# Altium PCB SIM_Cntroller_P200.PcbDoc (part 1 of 2) (continued)
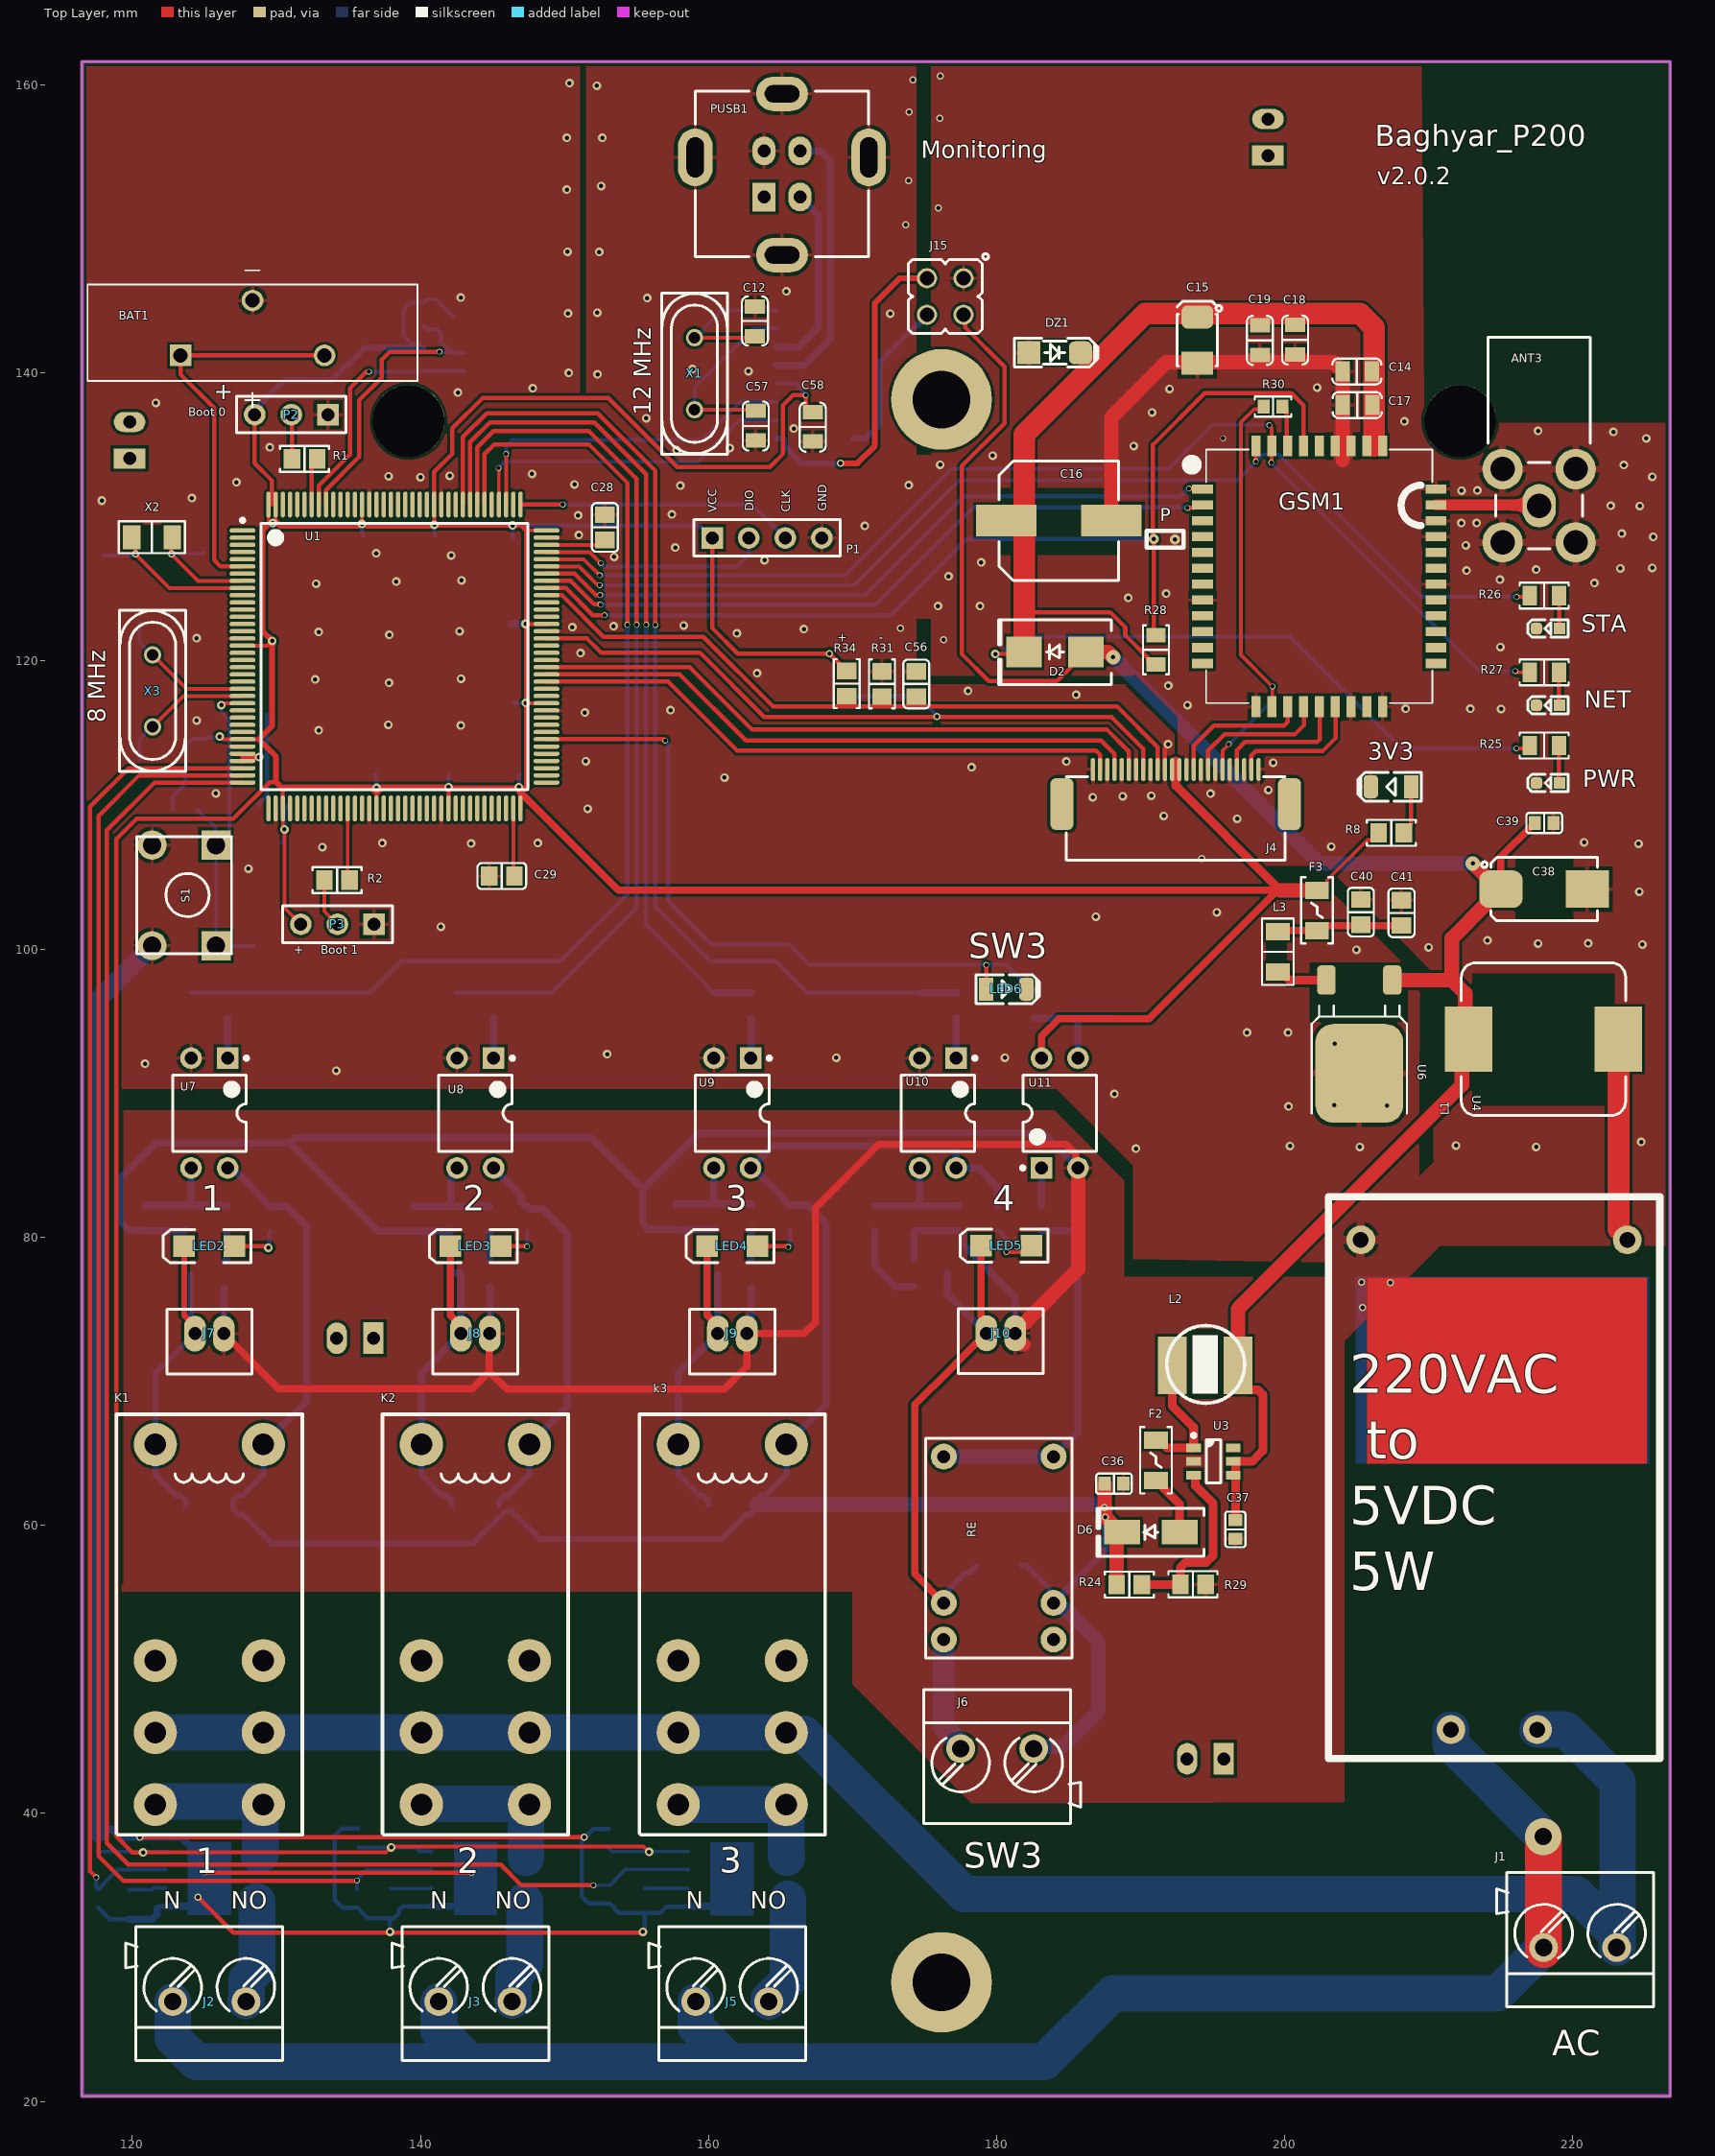
[diagram p0: Top Layer view]
## Components (designator, comment, footprint, x,y, rotation, side; value= is the part's Value field where it differs from the comment) (continued)
PWR "" LED_0603_RED 218.262,111.531 r180 top
Q1 "BC817" SOT23_BEC_M 125.247,77.445 r180 bottom
Q2 "BC817" SOT23_BEC_M 143.662,77.521 r180 bottom
Q3 "BC817" SOT23_BEC_M 161.773,77.445 r180 bottom
Q4 "BC817" SOT23_BEC_M 175.412,77.521 r0 bottom
R1 "10k" "RES 0805_2012" 131.953,134.036 r0 top
R2 "10k" "RES 0805_2012" 134.214,104.8 r0 top
R3 "100k" "RES 0805_2012" 123.673,109.703 r180 bottom
R4 "2.2K" "RES 0805_2012" 165.659,81.382 r90 bottom
R5 "2.2K" "RES 0805_2012" 180.061,81.331 r90 bottom
R6 "1K" "RES 0805_2012" 162.966,96.088 r270 bottom
R7 "10K" "RES 0805_2012" 163.017,81.356 r270 bottom
R8 "100R" "RES 0805_2012" 207.391,108.077 r180 top
R9 "2.2K" "RES 0805_2012" 129.591,81.294 r90 bottom
R10 "2.2K" "RES 0805_2012" 147.396,81.28 r90 bottom
R11 "1K" "RES 0805_2012" 126.619,96.088 r270 bottom
R12 "10K" "RES 0805_2012" 126.568,81.294 r270 bottom
R13 "1K" "RES 0805_2012" 145.059,96.088 r270 bottom
R14 "10K" "RES 0805_2012" 144.788,81.265 r270 bottom
R15 "10K" "RES 0805_2012" 120.904,81.319 r90 bottom
R16 "10K" "RES 0805_2012" 139.497,81.28 r90 bottom
R17 "1K" "RES 0805_2012" 177.216,96.1 r270 bottom
R18 "10K" "RES 0805_2012" 171.552,81.305 r270 bottom
R19 "10K" "RES 0805_2012" 157.734,81.432 r90 bottom
R20 "10K" "RES 0805_2012" 177.343,81.331 r90 bottom
R21 "2.2k" "RES 0805_2012" 183.109,81.331 r270 bottom
R22 "1k" "RES 0805_2012" 182.626,96.088 r90 bottom
R23 "10k" "RES 0805_2012" 188.112,96.088 r270 bottom
R24 "62K" "RES 0805_2012" 189.205,55.88 r180 top
R25 "220" "RES 0805" 218.004,114.136 r180 top
R26 "220" "RES 0805" 218.004,124.55 r180 top
R27 "220" "RES 0805" 218.004,119.216 r180 top
R28 "10k" "RES 0805" 191.059,120.777 r270 top value=10K
R29 "3.3K" "RES 0805_2012" 193.624,55.905 r180 top
R30 "4.7K" "RES 0603_1608" 199.187,137.668 r0 top
R31 "10k" "RES 0805_2012" 172.034,118.415 r270 top
R32 "4.7K" "RES 0603_1608" 140.106,144.043 r90 bottom
R33 "4.7K" "RES 0603_1608" 140.106,141.097 r90 bottom
R34 "10k" "RES 0805_2012" 169.596,118.44 r270 top
R35 "10k" "RES 0805_2012" 169.57,118.415 r270 bottom
R36 "10k" "RES 0805_2012" 172.009,118.44 r270 bottom
RE "Relay" "Through-hole 6PIN" 176.327,64.77 r270 top
S1 "Switch PB" "Switch - Push to On" 123.596,103.734 r270 top
STA "" LED_0603_BLUE 218.258,122.264 r180 top
U1 "STM32F429ZGT6" LQFP144 138.201,120.32 r0 top
U2 "20 AMP" SOIC_8pin 125.349,35.458 r180 bottom
U3 "MT3608" "SOT-23-6 2.9X2.8MM P0.95MM" 195.047,64.44 r0 top
U4 "220-to_5" HLK_5W 214.528,62.814 r90 top
U5 "20 AMP" SOIC_8pin 143.815,35.458 r180 bottom
U6 "LF33" TO252 205.207,95.25 r180 top
U7 "Optoisolator1" DIP-4 125.349,88.621 r270 top
U8 "Optoisolator1" DIP-4 143.815,88.621 r270 top
U9 "Optoisolator1" DIP-4 161.646,88.621 r270 top
U10 "Optoisolator1" DIP-4 175.92,88.621 r270 top
U11 "Optoisolator1" DIP-4 184.379,88.621 r90 top
U12 "AT24C02B-TP25-T" SO8_N 145.422,142.049 r180 bottom
U13 "20 AMP" SOIC_8 161.646,35.458 r180 bottom
U16 "CH340G" SOP16 167.411,139.903 r0 bottom
X1 "Value" "XTAL THD HC49" 159.029,139.954 r270 top
X2 "32KHZ" "IND 1206_3216" 121.361,128.6 r0 top
X3 "Value" "XTAL THD HC49" 121.412,117.932 r90 top

## Footprints (in the part's own frame and the unit in brackets; to place one, negate y for a bottom-side part, rotate by r counter-clockwise, add the part's x,y. Pads: shape width x height; smd on the part's side, far side on the other; paste and mask are expansions set on the pad)
BAT_STAND [mm]
  round 1.5 hole 1: NEG(1.905,0) S+2(-1.905,-5)
  rect 1.5x1.5 hole 1: S+1(-1.905,5)
  silkscreen extent -5.5,-11.45 4,11.45, body extent -3.71,-11.45 3,11.45, height 17.8
"CAP 0603_1608" [mm]
  rect 0.85x0.95 smd: 1(-0.65,0) 2(0.65,0)
  silkscreen extent -1.24,-0.7 1.23,0.7, body extent -0.8,-0.41 0.8,0.41, height 0.82
"CAP 0805" [mm] "Chip Capacitor, 2-Leads, Body 2.00x1.20mm, IPC Medium Density"
  rect 1x1.4 smd: 1(-1,0) 2(1.05,0)
  silkscreen extent -1.7,-0.9 1.7,0.9, body extent -1,-0.64 1,0.64, height 1.26
"CAP 0805_2012" [mm]
  rect 1.15x1.35 smd: 1(-0.875,0) 2(0.875,0)
  silkscreen extent -1.68,-0.9 1.69,0.9, body extent -0.99,-0.62 1.01,0.65, height 1.26
"CAP ALSMD POLY 8.3MM H8.0MM" [mm] "Aluminum Electrolytic Capacitor, Body 8.30x8.30x8.0mm"
  rect 4.2x2.2 smd: 1(-3.65,0) 2(3.65,0)
  Top Layer pour cut-out: -4.2,2.3 4.15,2.3 4.15,-2.4 -4.2,-2.4
  silkscreen extent -4.15,-4.15 4.15,4.15, body extent -4.5,-4.15 4.5,4.15, height 8
"CAP TAN SMD 3528" [mm] "CAPACITOR, TAN B, TAN H, TAN T, TAN M, 3528P, 1210P, 3.5X2.8mm"
  rrect50% 1.6x2.2 smd mask+0.1: 1(-1.6,0)
  rect 1.6x2.2 smd mask+0.1: 2(1.6,0)
  Top Layer pour cut-out: -0.889,1.4 -0.889,-1.4 0.889,-1.4 0.889,1.4
  silkscreen extent -2.7,-1.4 1.8,1.7, body extent -1.85,-1.46 1.85,1.47, height 2.03
"CAP TAN SMD 7343" [mm] "CAPACITOR, TAN D, TAN E, TAN Y, TAN X, 7343P, 7.3X4.3mm"
  rrect50% 3x2.6 smd: 1(-3,0)
  rect 3x2.6 smd: 2(3,0)
  Top Layer pour cut-out: -2.032,2.2 -2.032,-2.2 2.032,-2.2 2.032,2.2
  silkscreen extent -4.35,-2.2 3.7,2.2, body extent -3.7,-2.22 3.7,2.23, height 4.2
"CAPP 1206 (3216X18L) Size A" [mm] "Chip Capacitor, 2-Leads, Body 3.2x1.6mm, IPC High Density, chip Tantalum"
  rect 1.999x1.199 smd: 1(0,0) 2(2.8,0)
  silkscreen extent -1.38,-0.97 -0.99,0.97, body extent -0.43,-0.9 3.21,0.9, height 1.8
DIP-4 [mm] "DIP; 4 Leads; Row Spacing 7.62 mm; Pitch 2.54 mm"
  rect 1.5x1.5 hole 0.9: 1(-3.81,1.27)
  round 1.5 hole 0.9: 2(-3.81,-1.27) 3(3.81,-1.27) 4(3.81,1.27)
  silkscreen extent -3.93,-2.55 2.65,2.7, body extent -3.15,-2.5 3.15,2.5, height 5.6
"DO-214AA SMB" [mm] "Molded Diode, 2-Leads, Body 4.31x3.62mm, IPC Medium Density"
  rect 2.45x2.15 smd: 1(-2.15,0) 2(2.15,0)
  silkscreen extent -3.9,-2.25 3.9,2.25, body extent -2.6,-1.8 2.6,1.8, height 2.4
"DO-214AC SMA" [mm] "Molded Diode, 2-Leads, Body 4.30x2.60mm, IPC Medium Density"
  rect 2.5x1.7 smd: 1(-2,0) 2(2,0)
  silkscreen extent -3.68,-1.65 3.75,1.65, body extent -2.6,-1.37 2.6,1.37, height 2.4
FPC50_24 [mm] "FPC, FH12 Series; 24 Position; 0.5mm, Bottom Contact, FH12F-24S-0.5SH"
  oval 0.3x1.6 smd mask+0.05: 1(5.75,0) 2(5.25,0) 3(4.75,0) 4(4.25,0) 5(3.75,0) 6(3.25,0) 7(2.75,0) 8(2.25,0) 9(1.75,0) 10(1.25,0) 11(0.75,0) 12(0.25,0) 13(-0.25,0) 14(-0.75,0) 15(-1.25,0) 16(-1.75,0) 17(-2.25,0) 18(-2.75,0) 19(-3.25,0) 20(-3.75,0) 21(-4.25,0) 22(-4.75,0) 23(-5.25,0) 24(-5.75,0)
  rrect50% 1.6x3.6 smd: ""(-7.9,2.4) ""(7.9,2.4)
  silkscreen extent -7.6,0.5 7.6,6.3, body extent -8.05,-0.2 8.05,6.2, height 2.04
FUSE_0805 [mm]
  rect 1x1.35 smd: 1(-1.016,0) 2(1.016,0)
  silkscreen extent -1.7,-0.9 1.7,0.9, body extent -1.1,-0.74 1.1,0.76, height 1.34
FUSE_1206 [mm]
  rect 1.2x1.65 smd: 1(-1.4,0) 2(1.4,0)
  silkscreen extent -2.3,-1.1 2.3,1.1, body extent -1.6,-0.83 1.6,0.83, height 0.66
HDR1X3 [mm] "Connector; Header; 3 Position"
  rect 1.5x1.5 hole 0.9: 1(0,0)
  round 1.5 hole 0.9: 2(2.54,0) 3(5.08,0)
  silkscreen extent -1.27,-1.27 6.35,1.27
HDR1X4 [mm] "Connector; Header; 4 Position"
  rect 1.5x1.5 hole 0.9: 1(0,0)
  round 1.5 hole 0.9: 2(2.54,0) 3(5.08,0) 4(7.62,0)
  silkscreen extent -1.27,-1.27 8.89,1.27
HDR_M_1X2 [mm] "Connector; Header; 2 Position"
  round 1.4 / inner round 1.4 / far side rect 1.4x2.2 hole 0.9 mask+0.1: 1(-1.27,0)
  round 1.4 / inner round 1.4 / far side oval 1.4x2.2 hole 0.9 mask+0.1: 2(1.27,0)
  silkscreen extent -3,-1.7 2.57,1.3, body extent -2.54,-1.25 2.44,1.25, height 8.72
HDR_M_2X2 [mm] "Connector; Header; 2x2 Position"
  round 1.4 / inner round 1.4 / far side oval 1.4x2.2 hole 1: 1(-1.27,-1.27)
  round 1.4 / inner round 1.4 / far side oval 1.4x2.2 hole 1 mask+0.1: 2(-1.27,1.27) 3(1.27,-1.27) 4(1.27,1.27)
  silkscreen extent -3,-2.97 2.57,2.57, body extent -2.56,-2.54 2.47,2.54, height 8.54
HLK_5W [mm]
  round 2 hole 1.1: 1(-17,3) 2(-17,-3) 3(17,9.25) 4(17,-9.25)
  silkscreen extent -19,-11.5 20,11.5
"IND 5X5MM" [mm]
  rect 2x4 smd: 1(-2.286,-0.064) 2(2.286,-0.064)
  Top Layer pour cut-out: -1.27,2.476 -1.27,-2.413 1.27,-2.413 1.27,2.476
  silkscreen extent -2.65,-2.7 2.75,2.7, body extent -2.45,-2.5 2.55,2.5, height 3.1
"IND 10X11" [mm]
  rect 3.3x4.5 smd: 1(-5.207,0) 2(5.207,0)
  Top Layer pour cut-out: -4.953,4.635 4.953,4.636 4.953,-4.572 -4.953,-4.572
  silkscreen extent -5.7,-5.3 5.7,5.3, body extent -5.75,-5.15 5.75,5.15, height 4.01
"IND 1206_3216" [mm]
  rect 1.2x1.65 smd: 1(-1.4,0) 2(1.4,0)
  Top Layer pour cut-out: -0.939,0.86 -0.939,-0.664 0.839,-0.664 0.839,0.86
  silkscreen extent -2.3,-1.1 2.3,1.1, body extent -1.6,-0.8 1.6,0.8, height 1.4
"JST B2B-PH-K" [mm]
  oval 1.5x2.5 hole 0.9: 1(-1,0) 2(1,0)
  silkscreen extent -2.95,-2.8 2.95,1.7, body extent -2.95,-2.8 2.95,1.7, height 6
"LED SMD 1206" [mm]
  rect 1.5x1.5 smd: 1(-1.75,0) 2(1.75,0)
  silkscreen extent -2.9,-1.15 3.2,1.15, body extent -1.65,-0.76 1.65,0.69, height 1.36
LED_0603_BLUE [mm] "LED SMD 0603, BLUE"
  rect 0.8x0.8 smd mask+0.075: 1(-0.8,0)
  rrect50% 0.8x0.8 smd mask+0.075: 2(0.8,0)
  silkscreen extent -1.4,-0.6 1.4,0.6, body extent -0.8,-0.4 0.8,0.4, height 0.5
LED_0603_GREEN [mm] "LED SMD 0603, GREEN"
  rect 0.8x0.8 smd mask+0.075: 1(-0.8,0)
  rrect50% 0.8x0.8 smd mask+0.075: 2(0.8,0)
  silkscreen extent -1.4,-0.6 1.4,0.6, body extent -0.8,-0.4 0.8,0.4, height 0.5
LED_0603_RED [mm] "LED SMD 0603, RED"
  rect 0.8x0.8 smd mask+0.075: 1(-0.8,0)
  rrect50% 0.8x0.8 smd mask+0.075: 2(0.8,0)
  silkscreen extent -1.4,-0.6 1.4,0.6, body extent -0.8,-0.4 0.8,0.4, height 0.5
LED_1206_GREEN [mm] "LED, 1206, GREEN"
  rect 1x1.6 smd mask+0.075: 1(-1.4,0)
  rrect50% 1x1.6 smd mask+0.075: 2(1.4,0)
  Top Layer pour cut-out: -1.1,1.1 -1.1,-1.1 1.1,-1.1 1.1,1.1
  silkscreen extent -2.1,-1 2.3,1, body extent -1.6,-0.8 1.6,0.8, height 0.68
LED_1206_RED [mm] "LED, 1206, RED"
  rect 1x1.6 smd mask+0.075: 1(-1.4,0)
  rrect50% 1x1.6 smd mask+0.075: 2(1.4,0)
  Top Layer pour cut-out: -1.1,1.1 -1.1,-1.1 1.1,-1.1 1.1,1.1
  silkscreen extent -2.1,-1 2.3,1, body extent -1.6,-0.8 1.6,0.8, height 0.68
LL4148 [mm] "MELF Diode, 2-Leads, Body 3.5x1.4mm, IPC Medium Density"
  rect 1.2x1.75 smd: 1(-1.65,0) 2(1.65,0)
  silkscreen extent -0.61,-0.88 0.57,0.87, body extent -1.78,-0.75 1.72,0.75, height 1.55
LQFP144 [mm] "Thin QFP, 144-Leads, Body 20x20mm, Pitch 0.5mm, IPC Medium Density"
  oval 1.8x0.3 smd mask+0.01: 1(-10.55,8.75) 2(-10.55,8.25) 3(-10.55,7.75) 4(-10.55,7.25) 5(-10.55,6.75) 6(-10.55,6.25) 7(-10.55,5.75) 8(-10.55,5.25) 9(-10.55,4.75) 10(-10.55,4.25) 11(-10.55,3.75) 12(-10.55,3.25) 13(-10.55,2.75) 14(-10.55,2.25) 15(-10.55,1.75) 16(-10.55,1.25) 17(-10.55,0.75) 18(-10.55,0.25) 19(-10.55,-0.25) 20(-10.55,-0.75) 21(-10.55,-1.25) 22(-10.55,-1.75) 23(-10.55,-2.25) 24(-10.55,-2.75) 25(-10.55,-3.25) 26(-10.55,-3.75) 27(-10.55,-4.25) 28(-10.55,-4.75) 29(-10.55,-5.25) 30(-10.55,-5.75) 31(-10.55,-6.25) 32(-10.55,-6.75) 33(-10.55,-7.25) 34(-10.55,-7.75) 35(-10.55,-8.25) 36(-10.55,-8.75) 73(10.55,-8.75) 74(10.55,-8.25) 75(10.55,-7.75) 76(10.55,-7.25) 77(10.55,-6.75) 78(10.55,-6.25) 79(10.55,-5.75) 80(10.55,-5.25) 81(10.55,-4.75) 82(10.55,-4.25) 83(10.55,-3.75) 84(10.55,-3.25) 85(10.55,-2.75) 86(10.55,-2.25) 87(10.55,-1.75) 88(10.55,-1.25) 89(10.55,-0.75) 90(10.55,-0.25) 91(10.55,0.25) 92(10.55,0.75) 93(10.55,1.25) 94(10.55,1.75) 95(10.55,2.25) 96(10.55,2.75) 97(10.55,3.25) 98(10.55,3.75) 99(10.55,4.25) 100(10.55,4.75) 101(10.55,5.25) 102(10.55,5.75) 103(10.55,6.25) 104(10.55,6.75) 105(10.55,7.25) 106(10.55,7.75) 107(10.55,8.25) 108(10.55,8.75)
  oval 0.3x1.8 smd mask+0.01: 37(-8.75,-10.55) 38(-8.25,-10.55) 39(-7.75,-10.55) 40(-7.25,-10.55) 41(-6.75,-10.55) 42(-6.25,-10.55) 43(-5.75,-10.55) 44(-5.25,-10.55) 45(-4.75,-10.55) 46(-4.25,-10.55) 47(-3.75,-10.55) 48(-3.25,-10.55) 49(-2.75,-10.55) 50(-2.25,-10.55) 51(-1.75,-10.55) 52(-1.25,-10.55) 53(-0.75,-10.55) 54(-0.25,-10.55) 55(0.25,-10.55) 56(0.75,-10.55) 57(1.25,-10.55) 58(1.75,-10.55) 59(2.25,-10.55) 60(2.75,-10.55) 61(3.25,-10.55) 62(3.75,-10.55) 63(4.25,-10.55) 64(4.75,-10.55) 65(5.25,-10.55) 66(5.75,-10.55) 67(6.25,-10.55) 68(6.75,-10.55) 69(7.25,-10.55) 70(7.75,-10.55) 71(8.25,-10.55) 72(8.75,-10.55) 109(8.75,10.55) 110(8.25,10.55) 111(7.75,10.55) 112(7.25,10.55) 113(6.75,10.55) 114(6.25,10.55) 115(5.75,10.55) 116(5.25,10.55) 117(4.75,10.55) 118(4.25,10.55) 119(3.75,10.55) 120(3.25,10.55) 121(2.75,10.55) 122(2.25,10.55) 123(1.75,10.55) 124(1.25,10.55) 125(0.75,10.55) 126(0.25,10.55) 127(-0.25,10.55) 128(-0.75,10.55) 129(-1.25,10.55) 130(-1.75,10.55) 131(-2.25,10.55) 132(-2.75,10.55) 133(-3.25,10.55) 134(-3.75,10.55) 135(-4.25,10.55) 136(-4.75,10.55) 137(-5.25,10.55) 138(-5.75,10.55) 139(-6.25,10.55) 140(-6.75,10.55) 141(-7.25,10.55) 142(-7.75,10.55) 143(-8.25,10.55) 144(-8.75,10.55)
  silkscreen extent -10.67,-9.25 9.25,9.57, body extent -11,-11 11,11, height 1.63
P_TBB_2 [mm] "Terminal Block Blue"
  round 2 / inner round 2 / far side rect 2.4x3 hole 1.2: 1(-2.54,0)
  round 2 / inner round 2 / far side oval 2.4x3 hole 1.2: 2(2.54,0)
  silkscreen extent -5.1,-5.2 5.8,4.1, body extent -4.96,-5.08 5.78,3.99, height 12.52
Relay_8 [mm]
  round 3 hole 1.5: 1(-3.75,12.5) 2(3.75,12.5) CM1(-3.75,-7.5) CM2(3.75,-7.5) NC1(-3.75,-2.5) NC2(3.75,-2.5) NO1(-3.75,-12.5) NO2(3.75,-12.5)
  silkscreen extent -6.45,-14.6 6.45,14.6
"RES 0603_1608" [mm]
  rect 0.85x0.95 smd: 1(-0.65,0) 2(0.65,0)
  silkscreen extent -1.27,-0.7 1.27,0.7, body extent -0.8,-0.4 0.8,0.4, height 0.45
"RES 0805" [mm] "Chip Resistor, 2-Leads, Body 2.00x1.25mm, IPC Medium Density"
  rect 1x1.35 smd: 1(-1.016,0) 2(1.016,0)
  silkscreen extent -1.7,-0.9 1.7,0.9, body extent -0.95,-0.62 1.05,0.63, height 0.6
"RES 0805_2012" [mm] "Chip Resistor, 2-Leads, Body 2.00x1.25mm, IPC Medium Density"
  rect 1.15x1.35 smd: 1(-0.875,0) 2(0.875,0)
  silkscreen extent -1.7,-0.9 1.7,0.9, body extent -0.95,-0.62 1.05,0.63, height 0.6
SIM800C_M [mm]
  rect 0.635x1.45 smd: 1(-6.05,-8.1) 2(-4.95,-8.1) 3(-3.85,-8.1) 4(-2.75,-8.1) 5(-1.65,-8.1) 6(-0.55,-8.1) 7(0.55,-8.1) 8(1.65,-8.1) 9(2.75,-8.1) 10(3.85,-8.1) 11(4.95,-8.1) 12(6.05,-8.1) 22(6.05,8.1) 23(4.95,8.1) 24(3.85,8.1) 25(2.75,8.1) 26(1.65,8.1) 27(0.55,8.1) 28(-0.55,8.1) 29(-1.65,8.1) 30(-2.75,8.1) 31(-3.85,8.1) 32(-4.95,8.1) 33(-6.05,8.1)
  rect 1.45x0.635 smd: 13(9.05,-4.4) 14(9.05,-3.3) 15(9.05,-2.2) 16(9.05,-1.1) 17(9.05,0) 18(9.05,1.1) 19(9.05,2.2) 20(9.05,3.3) 21(9.05,4.4) 34(-9.05,4.4) 35(-9.05,3.3) 36(-9.05,2.2) 37(-9.05,1.1) 38(-9.05,0) 39(-9.05,-1.1) 40(-9.05,-2.2) 41(-9.05,-3.3) 42(-9.05,-4.4)
  silkscreen extent -8.8,-9.13 8.8,7.85, body extent -8.74,-7.85 8.86,7.85, height 2.57
SMA_RA [mm] "Connector; RF Coaxial, MCX, Thru-Hole; 5 Position; Right-Angle"
  oval 3x2.3 hole 1.7: 1(0,0)
  round 2.8 hole 1.7: 2(-2.54,-2.54) 3(2.54,-2.54) 4(2.54,2.54) 5(-2.54,2.54)
  silkscreen extent -11.68,-3.56 3,3.56, body extent -11.6,-3.5 3.5,3.5, height 9.86
SO8_N [mm] "SOIC, 8-Leads, Body 4.9x3.9mm, Pitch 1.27mm, IPC Medium Density"
  oval 2.2x0.6 smd: 1(-2.4,1.905) 2(-2.4,0.635) 3(-2.4,-0.635) 4(-2.4,-1.905) 5(2.4,-1.905) 6(2.4,-0.635) 7(2.4,0.635) 8(2.4,1.905)
  silkscreen extent -2.53,-2.5 0.9,2.88, body extent -2,-2.5 2,2.5, height 1.75
SOD80 [mm] "SOD-80 MINI-MELF 3.6X1.6mm, LL-34, LL4148"
  rect 1.6x1.6 smd: 1(-1.8,0)
  rrect50% 1.6x1.6 smd: 2(1.8,0)
  Top Layer pour cut-out: -1.016,1.016 1.016,1.016 1.016,-1.016 -1.016,-1.016
  silkscreen extent -2.8,-1 3,1, body extent -1.85,-0.8 1.85,0.8, height 2
SOIC_8 [mm]
  oval 2.1x0.6 smd: 1(-3.038,1.884) 2(-3.038,0.614) 3(-3.038,-0.656) 4(-3.038,-1.926) 5(3.062,-1.926) 6(3.062,-0.656) 7(3.062,0.614) 8(3.062,1.884)
  silkscreen extent -3.16,-2.52 1.61,2.86, body extent -2.99,-2.52 3.01,2.48, height 2.65
SOIC_8pin [mm]
  oval 2.1x0.6 smd: 1(-3.05,1.905) 2(-3.05,0.635) 3(-3.05,-0.635) 4(-3.05,-1.905) 5(3.05,-1.905) 6(3.05,-0.635) 7(3.05,0.635) 8(3.05,1.905)
  silkscreen extent -3.17,-2.5 1.6,2.88, body extent -3,-2.5 3,2.5, height 2.65
SOP16 [mil]
  oval 66.93x24 smd: 1(-105,175) 2(-105,125) 3(-105,75) 4(-105,25) 5(-105,-25) 6(-105,-75) 7(-105,-125) 8(-105,-175) 9(105,-175) 10(105,-125) 11(105,-75) 12(105,-25) 13(105,25) 14(105,75) 15(105,125) 16(105,175)
  silkscreen extent -55,-200 55,200, body extent -118,-197 118,197, height 69
SOT23_BEC_M [mm] "SOT23, 3-Leads, Body 2.9x1.3mm, Pitch 0.95mm, Lead Span 2.4mm, IPC Low Density"
  rect 1.45x0.6 smd: 1(-1.175,0.95) 2(-1.175,-0.95) 3(1.175,0)
  silkscreen extent -1.3,-1.5 0.7,1.92, body extent -1.23,-1.45 1.07,1.45, height 1
"SOT-23-6 2.9X2.8MM P0.95MM" [mm] "SOT23, 6-Leads, Body 2.90x2.80mm, Pitch 0.95mm, IPC Medium Density"
  rect 1x0.6 smd: 1(-1.375,0.95) 2(-1.375,0) 3(-1.375,-0.95) 4(1.375,-0.95) 5(1.375,0) 6(1.375,0.95)
  silkscreen extent -1.5,-1.5 0.5,1.92, body extent -1.41,-1.45 1.41,1.45, height 1.45
"Switch - Push to On" [mil]
  rect 80x80 hole 50: 1(-137.5,87.5) 1(137.5,87.5)
  round 80 hole 50: 2(-137.5,-87.5) 2(137.5,-87.5)
  silkscreen extent -160,-130 160,130, body extent -155,-121 157,123, height 205
"Through-hole 6PIN" [mm]
  round 1.8 hole 0.9: 1(0,7.62) 1(0,0) 5(10.16,0) 6(12.7,0) 7(12.7,7.62) 8(10.16,7.62)
  silkscreen extent -1.27,-1.27 13.97,8.89
TO252 [mil]
  rrect40% 50x80 smd: 1(-88.75,-102.5) 3(91.25,-102.5)
  rrect40% 240x270 smd: 4(1.25,152.5)
  Top Layer pour cut-out: -132.5,12.5 137.5,12.5 137.5,-147.5 133.75,-151.25 -132.5,-151.25
  silkscreen extent -129,-33 131,262, body extent -127,-119 130,272, height 91
USB_B_ST [mm] "CONN, USB B, Receptacle, STRAIGHT, THD"
  rect 1.6x2 hole 0.9: 1(-1.25,-1.6)
  oval 1.6x2 hole 0.9: 2(1.25,-1.6) 3(1.25,1.6) 4(-1.25,1.6)
  oval 2.4x4 hole 1.2 slot 2.8 at 90 deg: SH1(-6.02,1.15) SH2(6.02,1.15)
  oval 3.6x2.4 hole 1.2 slot 2.4 at 0 deg: SH3(0,5.56) SH4(0,-5.63)
  silkscreen extent -6.02,-5.73 6.02,5.73, body extent -7.55,-5.65 7.55,5.85, height 15.8
"XTAL THD HC49" [mm] "Crystal PTH HC49S"
  round 1.2 / inner oval 1.2x2 / far side oval 1.2x2 hole 0.8: 1(-2.5,0)
  round 1.2 / inner round 1.2 / far side oval 1.2x2 hole 0.8: 2(2.5,0)
  silkscreen extent -5.59,-2.29 5.59,2.29, body extent -5.67,-2.32 5.67,2.33, height 3.6

## Part data
3V3: library part LED, "LED", Power=Red, Adding Date=1387/12/22, Designer="Saeid Jorablo", Organazation=ControTec, Size="SMD 1206"
ANT3: library part "SMA RA", "RF Coaxial PCB Connector, MCX; Thru-Hole, Right-Angle Mount Socket, Blunt Post Terminal, 50 Ohm Impedance"
BAT1: "BATTERY HOLDER COIN"
C1 C2 C3 C4 C5 C6 C7 C8 C9 C10 C20 C21 C22 C23 C24 C26 C27 C28 C29 C30 C32 C36 C37 C39 C40 C41 C42 C43 C44 C45 C46 C47 C48 C49 C50 C51 C55 C56 C60: library part Cap-Bipolar, "Bipolar Capacitor", Voltage=100V, Adding Date=1387/12/20, Designer="Saeid Jorablo", Organazation=ControTec
C11 C12 C13 C14 C17 C18 C19 C31 C33 C34 C35 C52 C53 C54 C57 C58: library part "Cap SMD 0805", "SMT Capacitor"
C15: library part "Pol Cap SMD TAN 3528 SIZE B", "SMT TAN Polarised Capacitor"
C16: library part "Pol Cap SMD AL D4 H4", "SMT Polarised Capacitor"
C25: library part Cap-Polar, "Polar Capacitor", Voltage=16V, Adding Date=1387/12/20, Designer="Saeid Jorablo", Organazation=ControTec
C38: library part "Pol Cap SMD TAN 7343 SIZE D", "SMT TAN Polarised Capacitor"
D1 D3 D4 D5: library part "Diode 1N4148", "High Conductance Fast Diode", Code_JEDEC=DO-204-AH, ComponentLink1Description="Manufacturer Link", ComponentLink1URL=http://www.fairchildsemi.com/, ComponentLink2Description=Datasheet, ComponentLink2URL=http://www.fairchildsemi.com/ds/1N%2F1N4148.pdf, DatasheetVersion=1997, LatestRevisionDate=17-Jul-2002, LatestRevisionNote="Re-released for DXP Platform.", PackageDescription="Diode, Axial; Body 3.8 x 1.9 mm (LxDia. max), Lead Dia. 0.53 mm (max)", PackageReference=DO-35, Published=8-Jun-2000, Publisher="Altium Limited"
D2: "Signal Diode", Parameter 1=1N4148
D6: library part "1N5822 (THD)", "Diode Schottky 40V 3A Through Hole DO-201AD", PartNumber=1N5822-E3/54
DZ1: "0.5W Zener"
F1: library part "Fuse 0805"
GSM1: library part SIM800C
J1 J2 J3 J5 J6: library part "TB2 BLUE", "CONN, TERMINAL BLOCK, 5.08mm pitch"
J4: library part FPC50_24, "CONN, FPC, 0.50mm pitch, RightAngle, Bot. Contact", DESC=FH12F-24S-0.5SH(55), MANF="MOLEX, Hirose, FCI", MANF_P#="52437-2433, FH12-24S-0.5SH(55), SFV24R-1ST"
J7 J8 J9 J10: "Connector Header Through Hole 0.079\" (2.00mm)", PartNumber=B2B-PH-K-S(LF)(SN)
J11 J12 J13 J14: library part HDR_M_1X2, "CONN, HEADER, Male, pitch: 2.54mm, 2POS"
J15: library part HDR_M_2X2, "CONN, HEADER, Male, pitch: 2.54mm, 4POS", MANF=MANF, MANF_P#=MANF_PART#
L1 L2: "SMT Inductor"
L3: library part "Ind 1206", "SMT Inductor"
LED2 LED3 LED4 LED5 LED6: library part LED, "LED", Power=relaye1, Adding Date=1387/12/22, Designer="Saeid Jorablo", Organazation=ControTec
  LED2 LED4 LED5 LED6: Size="SMD 1206"
NET PWR STA: library part LED, "LED", Adding Date=1387/12/22, Designer="Saeid Jorablo", Organazation=ControTec
P1: "Header, 4-Pin", LatestRevisionDate=17-Jul-2002, LatestRevisionNote="Re-released for DXP Platform.", Publisher="Altium Limited"
P2 P3: "Header, 3-Pin", LatestRevisionDate=17-Jul-2002, LatestRevisionNote="Re-released for DXP Platform.", Publisher="Altium Limited"
PUSB1: library part USB_B_ST, "CONN, USB, B, STRAIGHT, THD", MANF=-, MANF_P#=-
Q1 Q2 Q3 Q4: library part NPN, "NPN Bipolar Transistor", LatestRevisionDate=29-May-2009, LatestRevisionNote="IPC-7351 Footprint Added.", PackageDescription="3-Pin SOT-23 Package 0.95 mm Pitch, 2.4 mm Lead Span", PackageReference=SOT-23B, PackageVersion=Aug-1999, Published=8-Jun-2000, Publisher="Altium Limited"
R1 R2 R3 R30 R31 R34 R35 R36: library part Resistor, "Resistor"
R4 R5 R9 R10 R25 R26 R27 R28: library part "Res SMD 0805", "SMD Resistor"
R6 R7 R8 R11 R12 R13 R14 R17 R18 R21 R22 R23 R32 R33: library part Resistor, "Resistor", Power="1/8 W", Tolerance=5%
R15 R16 R19 R20: library part Resistor, "Resistor", Tolerance=5%
R24 R29: library part "Res 0805", "SMT Resistor"
RE: library part "RELAY 5V 3A"
S1: "Push Button Switch"
U1: "ARM Cortex-M4 32-bit MCU+FPU, 225 DMIPS, 1024 kB Flash, 256 kB Internal RAM, 114 I/Os, 144-pin LQFP, -40 to 85 degC, Tray", I/Os (High Current)=114, Manufacturer=STMicroelectronics, Operating Frequency(F) (Processor speed) (MHz)=180, Supply Voltage(Vcc) max (V)=3.6, Supply Voltage(Vcc) min (V)=1.8, ComponentLink1Description="Manufacturer URL", ComponentLink1URL=http://www.st.com/web/en/home.html, ComponentLink2Description=Datasheet, ComponentLink2URL=http://www.st.com/st-web-ui/static/active/en/resource/technical/document/data_brief/DM00053488.pdf, ComponentLink3Description="Package Specification", ComponentLink3URL=http://www.st.com/st-web-ui/static/active/en/resource/technical/document/datasheet/DM00037051.pdf, Core="ARM Cortex-M4", D/A Converter=2x12-bit, DatasheetVersion="Rev. 2", FLASH Size (Prog) (kB)=1024, Internal RAM Size (kB)=256, Mounting Technology="Surface Mount", PackageDescription="144-Pin Low Profile Quad Flat Package, 20 x 20 mm Body, 0.5 mm Pitch", PackageReference=LQFP144, PackageVersion="Rev. 4, 06/2013", Packing=Tray, PartNumber=STM32F429ZGT6
U2 U5 U13: library part ACS712, "Current Sensor"
U3: library part "MT3608 (SMD)", "Boost chip", PartNumber=MT3608
U4: library part H-Link, "Isolated 3W Power Module"
U6: library part "LF33 (SMD)", "500mA, Very Low Drop (0.45V) Voltage Regulator, 3.3V, 3-Pin DPAK, Tape and Reel", PartNumber=LF33CDT-TR, ComponentLink1Description="Manufacturer URL", ComponentLink1URL=http://www.st.com, ComponentLink2Description=Datasheet, ComponentLink2URL=http://www.st.com/internet/com/TECHNICAL_RESOURCES/TECHNICAL_LITERATURE/DATASHEET/CD00000546.pdf, DatasheetVersion=Nov-2010, PackageDescription="3-Pin Transistor Outline Package 2.28 mm Pitch, 9.7 mm Lead Span (DPAK)", PackageReference=TO-252, PackageVersion=2011
U7 U8 U9 U10 U11: "4-Pin Phototransistor Optocoupler", DatasheetVersion=Nov-2003, LatestRevisionDate=04-Mar-2005, LatestRevisionNote="Sch pins 3 & 4 Swapped.", PackageReference=DIP-4, Published=24-Mar-1999, Publisher="Altium Limited"
U12: "2Kbit (256 x 8), 2-wire Bus Automotive Serial EEPROM with full memory Write Protect, 2.5V, 8-Pin TSSOP, Tape & Reel", Code_JEDEC=MO-153-AA, ComponentLink1Description="Manufacturer URL", ComponentLink1URL=http://www.atmel.com/, ComponentLink2Description=Datasheet, ComponentLink2URL=http://www.atmel.com/dyn/resources/prod_documents/doc8517.pdf, DatasheetVersion="8517C,  Jan-2009", PackageDescription="8-Lead, 4.4 mm Body, Plastic Thin Shrink Small Outline Package (TSSOP)", PackageReference=8A2, PackageVersion="revD, Dec-2009"
X1 X3: library part "Crystal THD HC49", "SMT Crystal"
  X1: Parameter 1=12MHz
  X3: Parameter 1=8MHz
X2: library part "Crystal HC-49S SMD", "SMT Crystal"

## Free pads (board coordinates)
  round 5 hole 5: ""(139.174,136.663) ""(212.174,136.663)
  round 7 hole 4: ""(176.174,28.27) ""(176.174,138.163)

## Via types
v1: diameter 0.6, hole 0.3, Top Layer to Bottom Layer, tented both sides, 181 vias
v2: diameter 0.4, hole 0.3, Top Layer to Bottom Layer, tented both sides, 35 vias
v3: diameter 0.5, hole 0.3, Top Layer to Bottom Layer, 23 vias
v4: diameter 0.4, hole 0.3, Top Layer to Bottom Layer, 2 vias
v5: diameter 0.7, hole 0.3, Top Layer to Bottom Layer, tented bottom, 2 vias
v6: diameter 1, hole 0.3, Top Layer to Bottom Layer, tented both sides, 2 vias
v7: diameter 2.54, hole 1.2, Top Layer to Bottom Layer, tented both sides, 1 vias

## Nets (pads, with @x,y where several pads share a name; then routed paths per layer and width w, separated by ;. In a path a pad name is that pad's centre, name@x,y a point inside that pad or via, vN(x,y) a via of type N, cw(c..) or ccw(c..) an arc to the next point about the centre after c; other vN are vias at no path point)
5v: C37.2 C38.1 C39.2 D2.1 J15.2 L1.2 L2.2 U3.4 U3.5 U6.1 | length 136.6
  Top Layer w0.3: J15.2@177.698,144.043 177.831,143.911 177.831,143.149 180.543,140.437 180.543,136.5 177.571,133.528 177.571,120.498 179.451,118.618 184.192,118.618 185.123,119.55 185.123,119.7 186.048,120.625 D2.1@186.198,120.625 ; C38.1@214.833,104.165 214.881,104.165 C38.1@215.004,104.165
  Top Layer w0.5: C38.1@215.004,104.165 215.004,106.413 217.129,108.538 217.179,108.538 217.354,108.713 C39.2@217.354,108.763
  Top Layer w0.6: U3.5@196.422,64.44 U3.5@196.571,64.44 ; C37.2@196.571,60.365 U3.5@196.571,64.44 ; L2.2@196.748,71.107 196.748,70.11 197.448,69.41 198.124,69.41 198.476,69.059 198.476,65.176 197.739,64.44 U3.5@196.571,64.44
  Top Layer w1: D2.1@186.198,120.625 187.731,120.625 v6(188.087,120.269) ; v6(213.055,105.943) C38.1@214.833,104.165
  Top Layer w1.016: L2.2@196.748,71.107 196.748,75.032 212.289,90.573 212.289,93.29 L1.2@212.75,93.751 212.522,93.98 212.522,96.926 211.595,97.853 ; U6.1@207.461,97.853 211.595,97.853 ; C38.1@214.881,104.165 214.012,103.297 214.012,103.173 211.595,100.756 211.595,97.853
  Bottom Layer w1: v6(188.087,120.269) 202.413,105.943 v6(213.055,105.943)
12v: C36.2 D1.2 D3.2 D4.2 D5.2 D6.2 J6.2 K1.2 K2.2 k3.2 R4.2 R5.2 R9.2 R10.2 R24.2 RE.8 U7.4 U8.4 U9.4 U10.4 | length 205.5
  Top Layer w1: v3(187.477,61.239) 187.488,61.25 C36.2@187.488,62.89 ; v3@187.513,60.702 v3@187.513,61.239 ; v3(187.554,60.554) 187.953,60.154 187.953,59.862 188.303,59.512 D6.2@188.68,59.512 ; R24.2@188.33,55.88 188.33,59.162 D6.2@188.68,59.512 ; D6.2@188.703,59.512 D6.2@188.68,59.512
  Bottom Layer w0.4: K1.2@129.099,65.611 129.099,63.517 127.674,62.092 127.399,62.092 126.999,61.692 D1.2@126.999,61.417 126.999,61.142 127.399,60.742 127.674,60.742 129.666,58.75 143.688,58.75 145.961,61.023 146.292,61.023 148.26,59.055 160.933,59.055 162.621,60.742 162.896,60.742 163.296,61.142 D4.2@163.296,61.417 163.296,61.692 163.696,62.092 163.971,62.092 165.396,63.517 k3.2@165.396,65.611 ; D3.2@145.465,61.417 145.465,61.692 145.865,62.092 146.14,62.092 147.565,63.517 K2.2@147.565,65.611 ; D5.2@181.737,57.226 182.041,57.226 183.679,55.588 183.679,54.878 RE.8@183.947,54.61
  Bottom Layer w0.5: U7.4@126.619,84.811 126.89,84.811 127.285,84.415 127.345,84.415 129.166,82.594 129.166,82.494 129.491,82.169 R9.2@129.591,82.169 129.631,82.129 130.723,82.129 132.105,80.747 132.105,68.618 K1.2@129.099,65.611 ; U8.4@145.085,84.811 146.971,82.924 146.971,82.48 147.296,82.155 R10.2@147.396,82.155 147.6,81.951 148.503,81.951 150.216,80.239 150.216,68.262 K2.2@147.565,65.611 ; k3.2@165.396,65.611 168.173,68.389 168.173,80.95 166.867,82.257 R4.2@165.659,82.257 165.559,82.257 165.234,82.582 165.234,82.682 163.105,84.811 U9.4@162.916,84.811 164.44,86.335 176.886,86.335 177.19,86.03 U10.4@177.19,84.811 178.74,84.811 180.061,83.49 R5.2@180.061,82.206 ; RE.8@183.947,54.61 187.554,58.217 v3(187.554,60.554)
  Bottom Layer w1: D4.2@163.296,61.417 163.321,61.443 187.274,61.443 v3(187.477,61.239) ; J6.2@182.575,44.501 182.695,44.62 184.574,44.62 187.071,47.117 187.071,51.867 184.728,54.21 184.563,54.21 184.163,54.61 RE.8@183.947,54.61 ; v3(187.554,60.554) v3@187.554,61.163
BOOT0: R1.2 U1.138 | length 3.3
  Top Layer w0.3: U1.138@132.451,130.87 132.451,133.659 R1.2@132.828,134.036
BOOT1: R2.2 U1.48 | length 5
  Top Layer w0.254: U1.48@134.951,109.77 134.951,104.938 R2.2@135.089,104.8
current1: C31.2 U1.34 U2.7 | length 92.3
  Top Layer w0.3: v2(117.5,35.56) 117.069,35.992 117.069,109.88 119.758,112.57 U1.34@127.651,112.57
  Bottom Layer w0.254: C31.2@117.5,34.864 C31.2@117.627,34.737 117.677,34.737 117.975,35.035 117.975,35.085 118.984,36.093 U2.7@122.299,36.093
  Bottom Layer w0.3: C31.2@117.5,34.864 v2(117.5,35.56)
current2: C34.1 U1.35 U5.7 | length 108.2
  Top Layer w0.3: U1.35@127.651,112.07 120.477,112.07 117.653,109.245 117.653,37.033 119.38,35.306 135.487,35.306 135.494,35.312 135.564,35.312 v2(135.584,35.331)
  Bottom Layer w0.254: C34.1@135.611,34.737 135.584,34.764 135.584,35.371 135.657,35.444 135.657,35.454 136.271,36.068 140.739,36.068 U5.7@140.765,36.093
CURRENT3: C53.1 U1.36 U13.7 | length 123.2
  Top Layer w0.3: U1.36@127.651,111.57 121.552,111.57 118.237,108.255 118.237,37.948 119.736,36.449 145.567,36.449 147.015,35.001 v2(152.019,35.001)
  Bottom Layer w0.254: v2(152.019,35.001) 152.031,35.001 152.046,35.016 C53.1@153.137,35.016 153.187,35.016 153.485,35.314 153.485,35.364 154.239,36.119 158.537,36.119 U13.7@158.583,36.073
D+: PUSB1.3 U16.5 | length 19.2
  Bottom Layer w0.508: U16.5@164.744,140.538 166.624,140.538 168.453,142.367 168.453,154.686 167.716,155.422 PUSB1.3@166.35,155.422
D-: PUSB1.2 U16.6 | length 13
  Bottom Layer w0.508: U16.6@164.744,141.808 166.243,141.808 167.615,143.18 167.615,150.958 PUSB1.2@166.35,152.222
ESP_RXD: U1.112 U16.2 | length 23.3
  Top Layer w0.254: v2(145.415,133.401) 145.44,133.375 145.44,131.663 145.443,131.661 145.443,130.879 U1.112@145.451,130.87
  Bottom Layer w0.254: v2(145.415,133.401) 145.415,133.426 145.821,133.833 159.258,133.833 162.154,136.728 U16.2@164.744,136.728
ESP_TXD: U1.111 U16.3 | length 24.1
  Top Layer w0.254: U1.111@145.951,130.87 v2(145.951,134.387)
  Bottom Layer w0.254: v2(145.951,134.387) 145.951,134.928 146.38,135.357 159.563,135.357 162.204,137.998 U16.3@164.744,137.998